# Altium PCB D5035_05.PcbDoc
Units mil, origin at the board's own origin, x right, y up, seen from the top; angles counter-clockwise.
Board outline 2716.54 x 1535.43 mil, 2 copper layers (Top Layer, Bottom Layer), stack 61.811 mil thick; 69 components, 60 nets, 246 pads, 37 vias.
Unrouted connection lines stored in the file: 1.
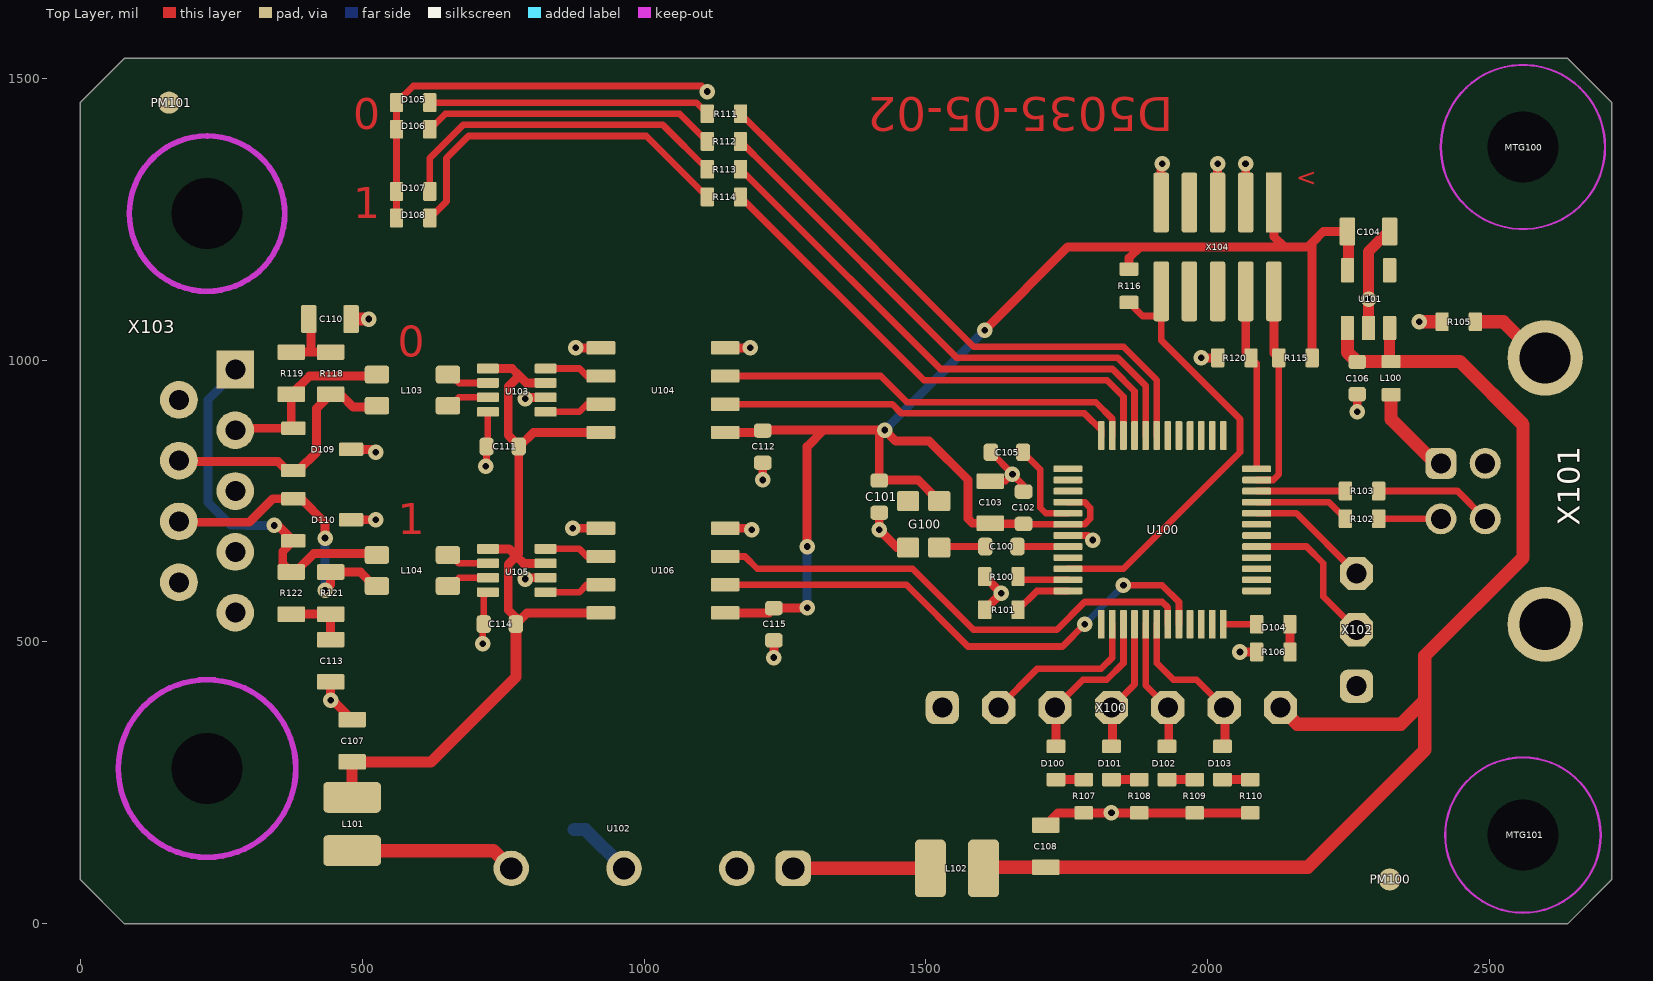
[diagram p0: Top Layer view]
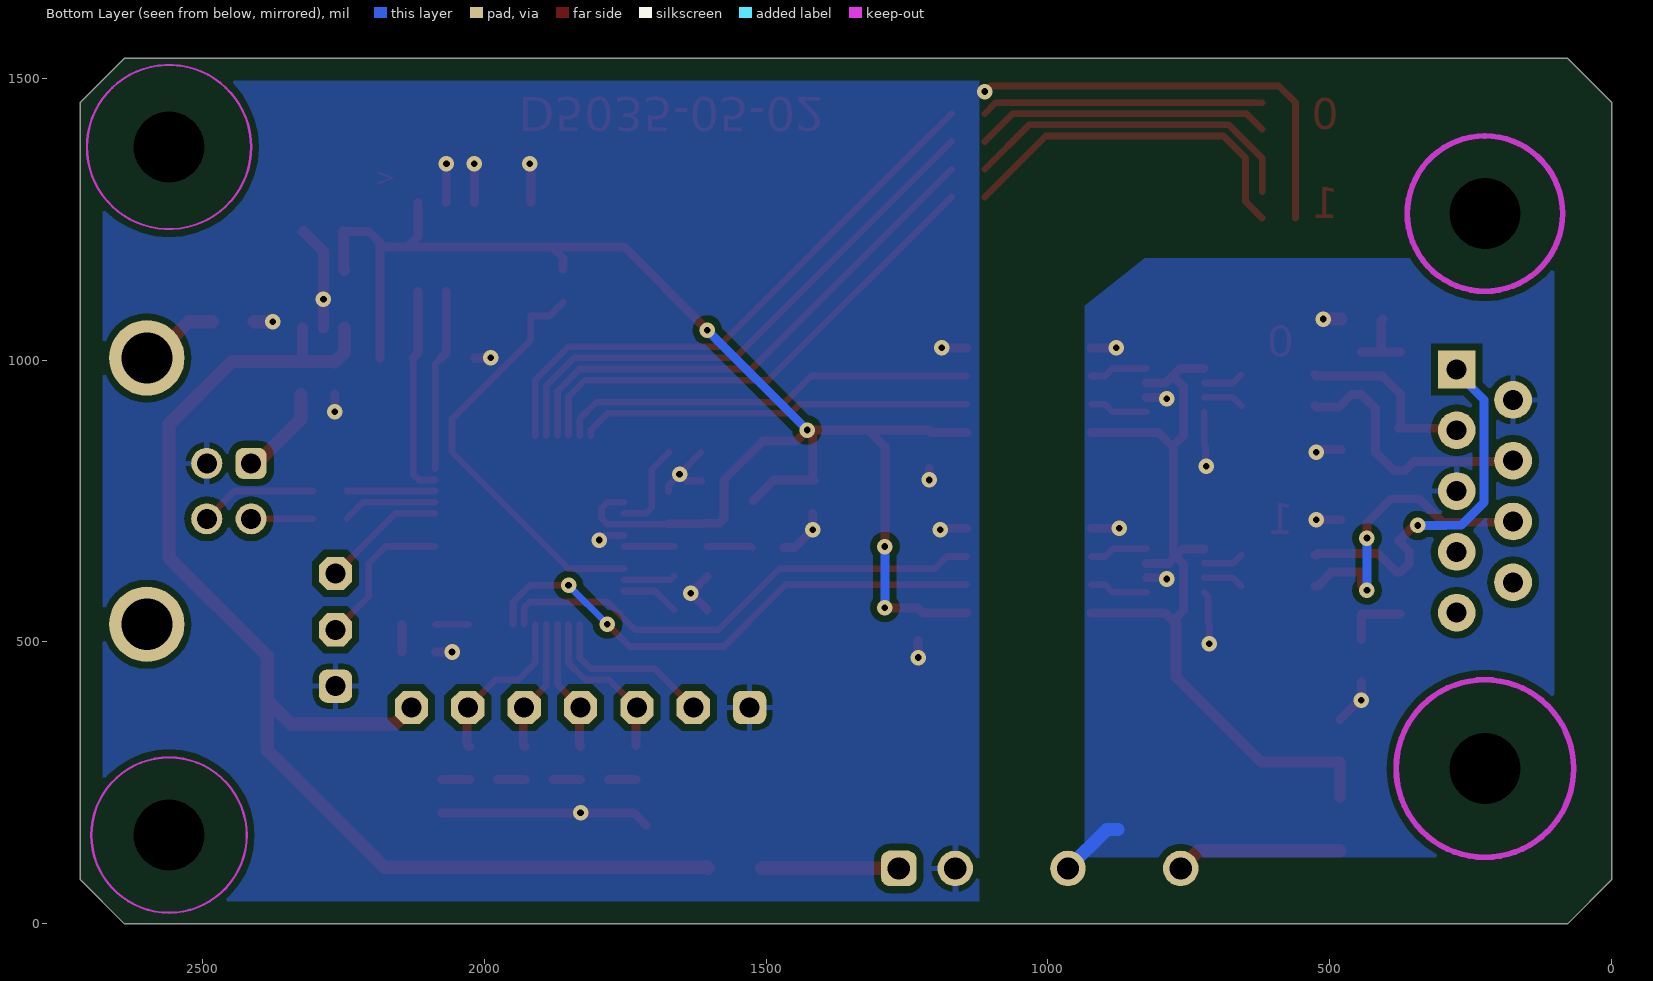
[diagram p1: Bottom Layer view, seen from below]
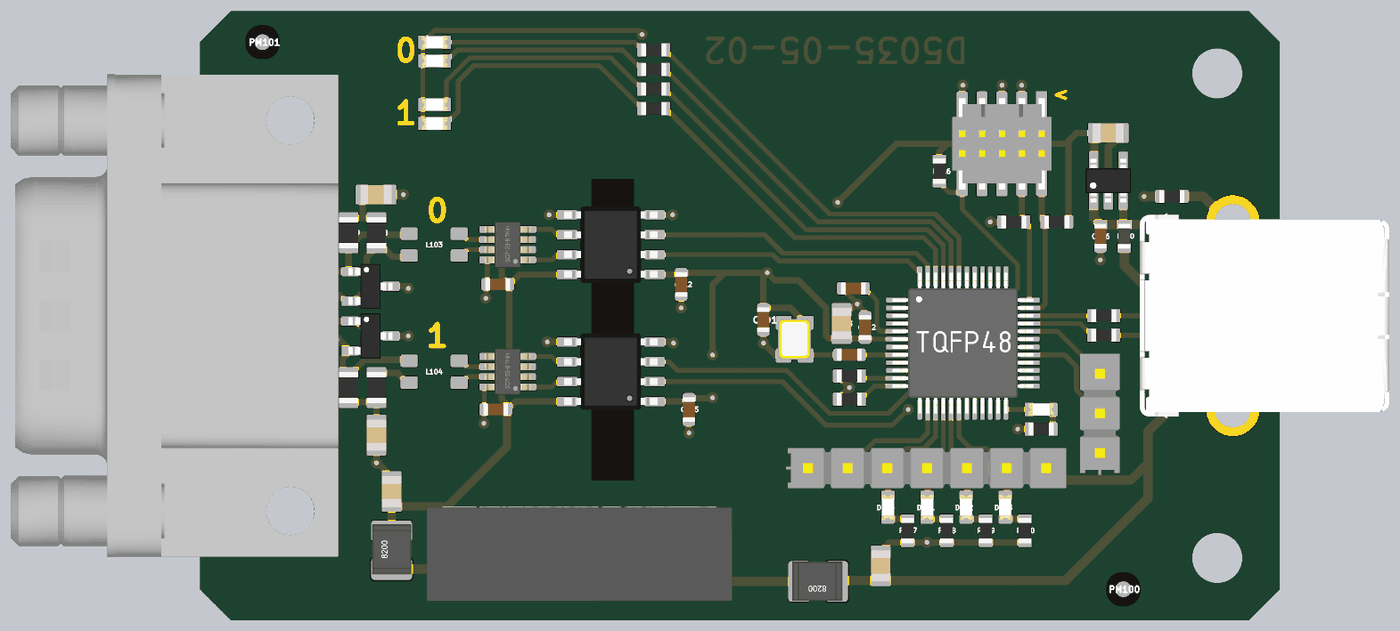
[diagram p2: 3D render of the assembled board from above, using the file's embedded part models]

## Layer stack, top to bottom
Top Solder: solder mask 0.3937, Solder Resist, Dk 3.5
Top Layer: signal copper 1.378
Dielectric 1: dielectric 59.0551, FR-4, Dk 4.8
Bottom Layer: signal copper 1.378
Bottom Solder: solder mask 0.3937, Solder Resist, Dk 3.5

## Board outline
78.74,0 0,78.74 0,1456.69 78.74,1535.43 2637.8,1535.43 2716.54,1456.69 2716.54,78.74 2637.8,0

## Design rules (kind name [scope] priority, off if disabled: settings)
BoardOutlineClearance [All] p1: gap=39.37 ignorepadtopadclearanceinfootprint=FALSE
Clearance [All] p1: gap=6 ignorepadtopadclearanceinfootprint=FALSE except(0: Arc-Hole Track-Hole SMDPad-Hole THPad-Hole Via-Hole Fill-Hole Poly-Hole Region-Hole Text-Hole; 12: Arc-Poly Track-Poly SMDPad-Poly THPad-Poly Via-Poly Fill-Poly Poly-Poly) // 1
DiffPairsRouting [All] p1: maxlimit=10 minlimit=7.87 mostfreqgap=10 toplayer_minwidth=9.84 toplayer_maxwidth=15 toplayer_prefwidth=11.81 bottomlayer_minwidth=9.84 bottomlayer_maxwidth=15 bottomlayer_prefwidth=11.81 maxuncoupledlength=500
HoleSize [All] p1: absolutevalues=TRUE maxlimit=200 minlimit=11.81 maxpercent=80.000 minpercent=20.000
MinimumSolderMaskSliver [All] p1: minsoldermaskwidth=2
PasteMaskExpansion [All] p1 off: expansion=0
PolygonConnect PolygonConnect_2 [IsVia] p1: connectstyle=Direct reliefconductorwidth=10 reliefentries=4 polygonreliefangle="90 Angle" airgapwidth=10
PolygonConnect PolygonConnect_1 [IsPad] p2: thpad.connectstyle=Relief thpad.reliefconductorwidth=10 thpad.reliefentries=4 thpad.polygonreliefangle="90 Angle" thpad.airgapwidth=10 smdpad.connectstyle=Direct smdpad.reliefconductorwidth=10 smdpad.reliefentries=4 smdpad.polygonreliefangle="90 Angle" smdpad.airgapwidth=10 via.connectstyle=Direct via.reliefconductorwidth=10 via.reliefentries=4 via.polygonreliefangle="90 Angle" via.airgapwidth=10
PolygonConnect [All] p3: connectstyle=Relief reliefconductorwidth=16 reliefentries=4 polygonreliefangle="90 Angle" airgapwidth=10
RoutingVias [All] p1: holewidth=11.81 width=23.62 viastyle="Through Hole" minholewidth=11.81 minwidth=23.62 maxholewidth=39.37 maxwidth=78.74
SilkToBoardRegionClearance [All] p1 off:
SilkToSilkClearance [All] p1 off: silktosilkclearance=10
SilkToSolderMaskClearance [IsPad] p1 off: minsilkscreentomaskgap=10 clearancetoexposedcopper=TRUE
SolderMaskExpansion SolderMaskExpansion_VIA [IsVia] p1: expansion=2 istentingtop=FALSE soldermaskfromhole=TRUE
SolderMaskExpansion [All] p2: expansion=2 istentingtop=FALSE
Width [All] p1: maxlimit=100 minlimit=9.84 preferedwidth=11.81 minimp=50.000000 maximp=50.000000 favimp=50.000000
23 further rules are at their usual default settings.

## Components (designator, comment, footprint, x,y, rotation, side; value= is the part's Value field where it differs from the comment)
C100 "10n" CAPC1608X09L 1633.86,669.29 r180 top
C101 "100n" CAPC1608X09L 1417.32,757.87 r90 top
C102 "100n" CAPC1608X09L 1673.23,738.19 r270 top
C103 "4µ7" CAPC2012X14L 1614.17,748.03 r270 top
C104 "4µ7" CAPC2012X14L 2285.12,1228.11 r180 top
C105 "100n" CAPC1608X09L 1643.7,836.61 r0 top
C106 "100n" CAPC1608X09L 2265.12,968.11 r90 top
C107 "4µ7" CAPC2012X14L 482.28,324.8 r270 top
C108 "4µ7" CAPC2012X14L 1712.6,137.8 r270 top
C110 "4n7" CAPC2012X14L 442.91,1072.83 r180 top
C111 "100n" CAPC1608X09L 749.19,846.73 r0 top
C112 "100n" CAPC1608X09L 1210.63,846.46 r90 top
C113 "4n7" CAPC2012X14L 444.19,466.73 r90 top
C114 "100n" CAPC1608X09L 744.19,531.73 r0 top
C115 "100n" CAPC1608X09L 1230.32,531.5 r90 top
D100 "red" DIOC1608X06N_LED 1730.71,285.43 r90 top
D101 "yellow" DIOC1608X06N_LED 1829.13,285.43 r90 top
D102 "green" DIOC1608X06N_LED 1927.56,285.43 r90 top
D103 "blue" DIOC1608X06N_LED 2025.98,285.43 r90 top
D104 "green" DIOC1608X06N_LED 2116.14,531.5 r180 top
D105 "green" DIOC1608X06N_LED 590.55,1456.69 r0 top
D106 "red" DIOC1608X06N_LED 590.55,1409.45 r0 top
D107 "green" DIOC1608X06N_LED 590.55,1299.21 r0 top
D108 "red" DIOC1608X06N_LED 590.55,1251.97 r0 top
D109 "PESD1CAN" SOT95P280X110-3N 429.19,841.73 r0 top
D110 "PESD1CAN" SOT95P280X110-3N 429.19,716.73 r0 top
G100 "16MHz" TG2520 1496.06,708.66 r270 top
L100 "WE_742792641" INDC1608X06L 2325.12,968.11 r90 top
L101 "82103C" Murata_8200C 482.28,177.17 r90 top
L102 "82103C" Murata_8200C 1555.12,98.43 r180 top
L103 "DLW32SH101XF2L‎" ACT1210 589.19,946.73 r0 top
L104 "DLW32SH101XF2L‎" ACT1210 589.19,626.73 r0 top
MTG100 "MH_M3" HOLE_3_2MM 2559.06,1377.95 r0 top
MTG101 "MH_M3" HOLE_3_2MM 2559.06,157.48 r0 top
PM100 "Fidicual" PM100 2322.83,78.74 r0 top
PM101 "Fidicual" PM100 157.48,1456.69 r0 top
R100 "10k" RESC1608X06L 1633.86,616.14 r180 top
R101 "10k" RESC1608X06L 1633.86,557.09 r180 top
R102 "22R" RESC1608X06L 2273.62,718.5 r180 top
R103 "22R" RESC1608X06L 2273.62,767.72 r180 top
R105 "10k" RESC1608X06L 2445.12,1068.11 r0 top
R106 "10k" RESC1608X06L 2116.14,482.28 r0 top
R107 "2k" RESC1608X06L 1779.92,226.38 r90 top
R108 "2k" RESC1608X06L 1878.35,226.38 r90 top
R109 "2k" RESC1608X06L 1976.77,226.38 r90 top
R110 "2k" RESC1608X06L 2075.2,226.38 r90 top
R111 "2k" RESC1608X06L 1141.73,1437.01 r0 top
R112 "1k" RESC1608X06L 1141.73,1387.8 r0 top
R113 "2k" RESC1608X06L 1141.73,1338.58 r0 top
R114 "1k" RESC1608X06L 1141.73,1289.37 r0 top
R115 "10k" RESC1608X06L 2155.51,1003.94 r0 top
R116 "10k" RESC1608X06L 1860.24,1131.89 r90 top
R118 "4k7" RESC2012X06L 444.19,976.73 r270 top
R119 "4k7" RESC2012X06L 374.19,976.73 r270 top
R120 "10k" RESC1608X06L 2047.24,1003.94 r0 top
R121 "4k7" RESC2012X06L 444.19,586.73 r90 top
R122 "4k7" RESC2012X06L 374.19,586.73 r90 top
U100 "STM32G0B1CET6" TQFP50P900X900X120-48N 1919.29,698.82 r0 top
U101 "MIC5317-3.3YD5" SOT95P280X110-5N 2285.12,1108.11 r90 top
U102 "MER1S0505SC" MER1SxxxxC 964.57,98.43 r180 top
U103 "TCAN1044V" SOT65P280X100-8N 774.19,946.73 r180 top
U104 "SI8621EC-B-IS" SOIC127P600X175-8N 1033.72,946.73 r180 top
U105 "TCAN1044V" SOT65P280X100-8N 774.19,626.73 r180 top
U106 "SI8621EC-B-IS" SOIC127P600X175-8N 1033.72,626.73 r180 top
X100 "1x7 2,54mm" PINH_1x07_2_54mm 1829.13,383.86 r0 top
X101 "61729-0010BLF" 61729-XXXXXLF 2598.43,767.72 r90 top
X102 "1x3 2,54mm" PINH_1x03_2_54mm 2263.78,521.65 r90 top
X103 "9651226803" 09651226803 275,767.72 r90 top
X104 "SWD" FTSH-105-01-L-DV-K 2017.72,1200.79 r180 top

## Footprints (in the part's own frame and the unit in brackets; to place one, negate y for a bottom-side part, rotate by r counter-clockwise, add the part's x,y. Pads: shape width x height; smd on the part's side, far side on the other; paste and mask are expansions set on the pad)
61729-XXXXXLF [mm] "USB Buchse"
  rrect50% 1.4x1.4 hole 0.9: 1(1.25,4.7)
  round 1.4 hole 0.9: 2(-1.25,4.7) 3(-1.25,2.7) 4(1.25,2.7)
  round 3.4 hole 2.3: Shell(-6,0) Shell(6,0)
  body extent -6.56,-10 6.56,5.94, height 1.15
09651226803 [mm]
  rect 1.7x1.7 hole 0.9: 1(5.48,0)
  round 1.7 hole 0.9: 2(2.74,0) 3(0,0) 4(-2.74,0) 5(-5.48,0) 6(4.11,2.54) 7(1.37,2.54) 8(-1.37,2.54) 9(-4.11,2.54)
  round 0 hole 3.2 unplated: SH(-12.5,1.27) SH(12.5,1.27)
  body extent -15.46,-1.85 15.45,19.05, height 13.55
ACT1210 [mm]
  rrect30% 1.1x0.8 smd: 1(-1.6,0.7) 2(-1.6,-0.7) 3(1.6,-0.7) 4(1.6,0.7)
  body extent -1.6,-1.3 1.6,1.3, height 2.5
CAPC1608X09L [mm] "Chip Capacitor, 2-Leads, Body 1,6x0,8mm, IPC High Density"
  rrect50% 0.65x0.8 smd: 1(-0.725,0) 2(0.725,0)
  body extent -0.8,-0.4 0.8,0.4, height 0.6
CAPC2012X14L [mm] "Chip Capacitor, 2-Leads, Body 2,0x1,3mm, IPC High Density"
  rrect20% 0.7x1.25 smd: 1(-0.95,0) 2(0.95,0)
  body extent -1,-0.62 1,0.62, height 0.6
DIOC1608X06N_LED [mm]
  rrect20% 0.6x0.85 smd: 1(-0.75,0) 2(0.75,0)
  body extent -0.8,-0.4 0.8,0.4, height 0.7
FTSH-105-01-L-DV-K [mm] "SAMTEC FTSH 5pin doppelreihig, 1,27mm x 1,27mm"
  rect 0.7x2.7 smd: 1(-2.53,-2)
  rrect30% 0.7x2.7 smd: 2(-2.53,2) 3(-1.26,-2) 4(-1.26,2) 5(0.01,-2) 6(0.01,2) 7(1.28,-2) 8(1.28,2) 9(2.55,-2) 10(2.55,2)
  body extent -3.17,-2.92 3.18,2.92, height 6.11
HOLE_3_2MM [mm] "Mouting-Hole for screws M3 with keepout for washer"
  round 0 hole 3.2 unplated: 1(0,0)
  Keep-Out Layer circle w0.1: c0,0 r3.7
INDC1608X06L [mm] "Ferrite Bead 2-Leads, Body 1,6x0,8mm, IPC High Density"
  rrect20% 0.6x0.85 smd: 1(-0.75,0) 2(0.75,0)
  body extent -0.8,-0.4 0.8,0.4, height 0.8
MER1SxxxxC [mm]
  rrect50% 1.6x1.6 hole 1: 1(-7.62,0)
  round 1.6 hole 1: 2(-5.08,0) 4(0,0) 6(5.08,0)
  body extent -9.5,-4.77 10,1.25, height 10.1
Murata_8200C [mm]
  rrect30% 1.4x2.6 smd paste+0 mask+0.102: 1(-1.2,0)
  rrect30% 1.4x2.6 smd: 2(1.2,0)
  body extent -1.55,-1.26 1.65,1.24, height 2
PINH_1x03_2_54mm [mm] "Pin-Header 3 polig"
  rrect50% 1.5x1.5 hole 0.9: 1(-2.54,0)
  oct 1.5x1.5 hole 0.9: 2(0,0) 3(2.54,0)
  body extent -3.94,-1.27 3.81,1.27, height 8.38
PINH_1x07_2_54mm [mm] "Pin-Header 7 polig"
  rrect50% 1.5x1.5 hole 0.9: 1(-7.62,0)
  oct 1.5x1.5 hole 0.9: 2(-5.08,0) 3(-2.54,0) 4(0,0) 5(2.54,0) 6(5.08,0) 7(7.62,0)
  body extent -9.02,-1.27 8.89,1.27, height 8.38
PM100 [mm] "Passermarke für Bestueckungsautomaten rund"
  round 1 smd: 1(0,0)
  rect 0.2x0.2 smd mask+1: 1(0,0)
  Top Layer pour cut-out: -1.2,1.2 1.2,1.2 1.2,-1.2 -1.2,-1.2
RESC1608X06L [mm] "Chip Resistor, 2-Leads, Body 1,6x0,8mm, IPC High Density"
  rrect20% 0.6x0.85 smd: 1(-0.75,0) 2(0.75,0)
  body extent -0.8,-0.4 0.8,0.4, height 0.4
RESC2012X06L [mm] "Chip Resistor, 2-Leads, Body 2,0x1,3mm, IPC High Density"
  rrect20% 0.7x1.25 smd: 1(-0.95,0) 2(0.95,0)
  body extent -1,-0.63 1,0.63, height 0.5
SOIC127P600X175-8N [mm] "SOIC, 8-Leads, Body 5,0x4,0mm (max), Pitch 1,27mm, IPC Medium Density"
  rrect20% 1.3x0.6 smd: 1(-2.8,1.905) 2(-2.8,0.635) 3(-2.8,-0.635) 4(-2.8,-1.905) 5(2.8,-1.905) 6(2.8,-0.635) 7(2.8,0.635) 8(2.8,1.905)
  body extent -3,-2.45 3,2.45, height 1.7
SOT65P280X100-8N [mm] "SOT23, 8-Leads, Body 3,0x3,0mm (max), Pitch 0,65mm, IPC Medium Density"
  rrect30% 1x0.44 smd: 1(-1.3,0.975) 2(-1.3,0.325) 3(-1.3,-0.325) 4(-1.3,-0.975) 5(1.3,-0.975) 6(1.3,-0.325) 7(1.3,0.325) 8(1.3,0.975)
  body extent -1.47,-1.47 1.47,1.47, height 1.1
SOT95P280X110-3N [mm] "SOT23, 3-Leads, Body 3,0x3,0mm (max), Pitch 0,95mm, IPC Medium Density"
  rrect20% 1.1x0.6 smd: 1(-1.3,0.95) 2(-1.3,-0.95) 3(1.3,0)
  body extent -1.4,-1.45 1.4,1.45, height 1.3
SOT95P280X110-5N [mm] "SOT23, 5-Leads, Body 3,0x3,0mm (max), Pitch 0,95mm, IPC Medium Density"
  rrect20% 1.1x0.6 smd: 1(-1.3,0.95) 2(-1.3,0) 3(-1.3,-0.95) 4(1.3,-0.95) 5(1.3,0.95)
  body extent -1.4,-1.45 1.4,1.45, height 1.45
TG2520 [mm]
  rrect20% 0.9x1 smd: 1(-1.05,-0.7) 2(1.05,-0.7) 3(1.05,0.7) 4(-1.05,0.7)
  body extent -1.3,-1.06 1.3,1.04, height 0.8
TQFP50P900X900X120-48N [mm] "TSQFP, 48-Leads, Body 9,2x9,2mm (max), Pitch 0,50mm, IPC Medium Density"
  rrect30% 1.3x0.3 smd: 1(-4.25,2.75) 2(-4.25,2.25) 3(-4.25,1.75) 4(-4.25,1.25) 5(-4.25,0.75) 6(-4.25,0.25) 7(-4.25,-0.25) 8(-4.25,-0.75) 9(-4.25,-1.25) 10(-4.25,-1.75) 11(-4.25,-2.25) 12(-4.25,-2.75) 25(4.25,-2.75) 26(4.25,-2.25) 27(4.25,-1.75) 28(4.25,-1.25) 29(4.25,-0.75) 30(4.25,-0.25) 31(4.25,0.25) 32(4.25,0.75) 33(4.25,1.25) 34(4.25,1.75) 35(4.25,2.25) 36(4.25,2.75)
  rrect30% 0.3x1.3 smd: 13(-2.75,-4.25) 14(-2.25,-4.25) 15(-1.75,-4.25) 16(-1.25,-4.25) 17(-0.75,-4.25) 18(-0.25,-4.25) 19(0.25,-4.25) 20(0.75,-4.25) 21(1.25,-4.25) 22(1.75,-4.25) 23(2.25,-4.25) 24(2.75,-4.25) 37(2.75,4.25) 38(2.25,4.25) 39(1.75,4.25) 40(1.25,4.25) 41(0.75,4.25) 42(0.25,4.25) 43(-0.25,4.25) 44(-0.75,4.25) 45(-1.25,4.25) 46(-1.75,4.25) 47(-2.25,4.25) 48(-2.75,4.25)
  body extent -4.51,-4.51 4.51,4.51, height 1.1

## Part data
C100 C101 C102 C105 C106 C111 C112 C114 C115: library part CAPC_0603, "0603 Chip Capacitor", Bauteilart=Capacitor, Editor=rriedel, Kategorie=generic, PackageDescription=0603, Part Number=CAPC_0603, Status=tested, Unterart=unpolarized
C103 C104 C107 C108 C110 C113: library part CAPC_0805, "0805 Chip Capacitor", Bauteilart=Capacitor, Editor=rriedel, Kategorie=generic, PackageDescription=0805, Part Number=CAPC_0805, Status=tested, Unterart=unpolarized
D100 D101 D102 D103 D104 D105 D106 D107 D108: library part LED_0603, "LED, 0603", Bauteilart=Diode, Date=29.06.2020, Editor=rriedel, Kategorie=generic, PackageDescription=0603, Part Number=LED_0603, Status=new, Unterart=generic
D109 D110: "CAN bus ESD protection diode", Manufacturer=Nexperia, Bauteilart=Diode, Date=27.06.2020, Distributor_1=Digi-Key, Distributor_1_Part_Number=1727-3817-1-ND, Editor=rriedel, Kategorie=Part, PackageDescription=SOT23, Part Number=PESD1CAN, Part_Number_1=PESD1CAN, Status=new, Unterart=Transil
G100: library part TG2520SMN16.0000M-MCGNNM, "16MHz Oscillator, +/- 0.5ppm", Manufacturer=Epson, Bauteilart=Oscillator, Date=20.11.2021, Distributor_1=Mouser, Distributor_1_Part_Number=732-TG252S16MCGNNM3, Editor=rriedel, Kategorie=Part, PackageDescription="2,5mm x 2,0mm", Part Number=TG2520SMN16.0000M-MCGNNM, Part_Number_1=TG2520SMN16.0000M-MCGNNM, Status=tested, Unterart=TG2520
L100: "SMT EMI suppression ferrite bead WE-CBF", Manufacturer=Wuerth, Bauteilart=Inductor, Date=22.06.2020, Distributor_1=Digi-Key, Distributor_1_Part_Number=732-1592-1-ND, Editor=rriedel, Kategorie=Part, PackageDescription=0603, Part Number=WE_742792641, Part_Number_1=742792641, Status=new, Unterart="Ferrite Bead"
L101 L102: "10µH, 0,5A, 400mR", Manufacturer=Murata, Bauteilart=Inductor, Date=27.06.2020, Distributor_1=Digi-Key, Distributor_1_Part_Number=811-2473-1-ND, Editor=rriedel, Kategorie=Part, PackageDescription="3,2x2,5 mm", Part Number=82103C, Part_Number_1=82103C, Status=new, Unterart=Power
L103 L104: library part ACT1210-101-2P-TL00, "Common Mode Filter,  -50°C ... +150°C, AEC-Q200", Manufacturer=TDK, Bauteilart=Inductor, Date=17.10.2017, Distributor_1=Farnell, Distributor_1_Part_Number=2442838, Distributor_2=Digi-Key, Distributor_2_Part_Number=445-172386-1-ND, Editor=rriedel, Kategorie=Part, PackageDescription=3225, Part Number=ACT1210-101-2P-TL00, Part_Number_1=ACT1210-101-2P-TL00, Status=tested, Unterart=Filter
MTG100 MTG101: "Mounting-Hole for M3 screws", Bauteilart=Mechanic, Date=13.05.2018, Editor=rriedel, Kategorie=No_Bom, Part Number=MH_M3, Status=tested, Unterart=Holes
PM100 PM101: library part PM100, "Passermarke für Bestueckungsautomaten 1mm rund, 2,2mm quadratischer Ausschnitt, 2,1 mm Ausstellung Loetstoplack", Bauteilart=Manufacturing, Date=22.02.2017, Editor=rriedel, Kategorie=No_Bom, PackageDescription="Passermarke 1.0mm rund", Part Number=PM100, Status=tested, Unterart=Passermarke
R100 R101 R102 R103 R105 R106 R107 R108 R109 R110 R111 R112 R113 R114 R115 R116 R120: library part RESC_0603, "0603 Chip Resistor", Bauteilart=Resistor, Editor=rriedel, Kategorie=generic, PackageDescription=0603, Part Number=RESC_0603, Status=tested, Unterart=generic
R118 R119 R121 R122: library part RESC_0805, "0805 Chip Resistor", Bauteilart=Resistor, Editor=rriedel, Kategorie=generic, PackageDescription=0805, Part Number=RESC_0805, Status=tested, Unterart=generic
U100: "32-bit Microcontroller, 64MHz Cortex M0+, 512k FLASH,  USB", Manufacturer=STM, Bauteilart=MikroController, Date=27.02.2023, Distributor_1=Mouser, Distributor_1_Part_Number=511-STM32G0B1CET6, Editor=rriedel, Kategorie=Part, PackageDescription=TQFP48-0.5mm, Part Number=STM32G0B1CET6, Part_Number_1=STM32G0B1CET6, Status=new, Unterart="32bit STM"
U101: library part MIC5233-3.3, "100 mA LDO,  Vout= 3,3V, -40°C..125°C", Manufacturer=Microchip, Bauteilart=IC, ComponenLinkDescription=Datasheet, ComponenLinkURL="D:\Altium_lib_HW-Labor_GF\Altium_lib\Datenblaetter\pcb\Integrierte Schaltkreise\Microchip\mic5233.pdf", Date=15.09.2016, Distributor_1=Farnell, Distributor_1_Part_Number=2510274, Editor=rriedel, Kategorie=Part, PackageDescription=SOT23-5, Part Number=MIC5233-3.3, Part_Number_1=MIC5233-3.3YM5, Status=tested, Unterart=Linear-Regulators
U102: "Isolated 1W Single Output DC-DC Converters 5V/5V 200mA", Manufacturer=Murata, Bauteilart=Module, Date=27.06.2020, Distributor_1=Digi-Key, Distributor_1_Part_Number=811-2124-5-ND‎, Editor=rriedel, Kategorie=Part, PackageDescription="4Pin SIP", Part Number=MER1S0505SC, Part_Number_1=MER1S0505SC, Status=new, Unterart=DCDC
U103 U105: "CAN-FD transceiver 8MBit, VIO Pin", Manufacturer=TI, Bauteilart=IC, Date=28.06.2020, Distributor_1=Digi-Key, Distributor_1_Part_Number=296-TCAN1044VDDFRCT-ND, Editor=rriedel, Kategorie=Part, PackageDescription=SOT23-8, Part Number=TCAN1044V, Part_Number_1=TCAN1044VDDFR, Status=new, Unterart=CAN
U104 U106: "Dual channel digital isolator, 150Mbit, 3,75kV", Manufacturer="Silicon Labs", Bauteilart=IC, Date=29.06.2020, Distributor_1=Digi-Key, Distributor_1_Part_Number=336-4776-1-ND, Editor=rriedel, Kategorie=Part, PackageDescription=SO8, Part Number=SI8621EC-B-IS, Part_Number_1=SI8621EC-B-IS, Status=new, Unterart=Isolator
X100: library part PINH_1x7_2_54, "Pin-Header 2,54 mm 7pins", Bauteilart=Connector, Date=07.02.2017, Editor=rriedel, Kategorie=generic, Part Number=PINH_1x7_2_54, Status=tested, Unterart=Pin-Header
X101: "USB-B socket, THT", Manufacturer=Amphenol, Bauteilart=Connector, Date=28.06.2020, Distributor_1=Digi-Key, Distributor_1_Part_Number=609-1039-ND, Editor=rriedel, Kategorie=Part, PackageDescription=USB-B, Part Number=61729-0010BLF, Part_Number_1=61729-0010BLF, Status=new, Unterart=USB
X102: library part PINH_1x3_2_54, "Pin-Header 2,54 mm 3pins", Bauteilart=Connector, Date=02.02.2017, Editor=rriedel, Kategorie=generic, Part Number=PINH_1x3_2_54, Status=tested, Unterart=Pin-Header
X103: "D-Sub, 9 pin, male, right angle", Manufacturer=Harting, Bauteilart=Connector, Date=29.06.2020, Distributor_1=Farnell, Distributor_1_Part_Number=2752007, Editor=rriedel, Kategorie=Part, PackageDescription=D-Sub, Part Number=9651226803, Part_Number_1=9651226803, Status=new, Unterart=D-Sub
X104: "ARM Debug-Header 2x5 1,27 mm", Bauteilart=Connector, Date=12.08.2018, Editor=rriedel, Kategorie=Part, PackageDescription="2x5 1,27mm", Part Number=SWD, Status=tested, Unterart=Debug

## Via types
v1: diameter 27.56, hole 11.81, Top Layer to Bottom Layer, tented both sides, 37 vias

## Nets (pads, with @x,y where several pads share a name; then routed paths per layer and width w, separated by ;. In a path a pad name is that pad's centre, name@x,y a point inside that pad or via, vN(x,y) a via of type N, cw(c..) or ccw(c..) an arc to the next point about the centre after c; other vN are vias at no path point)
3V3: C101.2 C102.2 C103.2 C104.2 C112.2 C115.2 G100.4 R115.2 R116.2 U100.4 U100.6 U101.5 U104.1 U106.1 X104.1 | length 2897.2
  Top Layer w11.81: C102.2 1674.21,708.66 U100.6 1781.5,708.66 1791.34,718.5 1791.34,738.19 1781.5,748.03 U100.4
  Top Layer w15.75: U106.1 1222.01,551.73 C115.2 1288.39,560.04 v1(1289.37,561.02) ; U104.1 1207.36,871.73 C112.2 C112.2@1211.61,875.98 ; C112.2@1210.63,875.98 C112.2@1211.61,875.98 ; v1(1289.37,669.29) 1289.37,846.46 1318.9,875.98 ; C101.2@1415.03,787.4 C101.2@1417.32,787.4 ; C101.2 C101.2@1417.32,787.4 ; G100.4 1486.22,787.4 C101.2@1417.32,787.4 ; v1(1604.33,1053.15) 1751.97,1200.79 1879.92,1200.79 ; C102.2 1615.16,709.65 C103.2 1582.68,710.63 1574.8,718.5 1574.8,787.4 1505.91,856.3 1446.85,856.3 v1(1427.17,875.98) ; R116.2 1860.24,1181.1 1879.92,1200.79 ; X104.1 2117.32,1219.3 2135.83,1200.79 ; R115.2 2185.04,1208.03 ; C104.2@2249.69,1228.11 C104.2 2205.12,1228.11 2185.04,1208.03 ; C112.2@1211.61,875.98 1318.9,875.98 ; 1318.9,875.98 v1(1427.17,875.98) ; C101.2@1417.32,787.4 1417.32,866.14 v1(1427.17,875.98) ; 1879.92,1200.79 2135.83,1200.79 ; 2135.83,1200.79 2177.8,1200.79 2185.04,1208.03
  Top Layer w19.68: U101.5 2249.69,1161.26 C104.2@2249.69,1228.11
  Bottom Layer w15.75: v1(1289.37,561.02) v1(1289.37,669.29) ; v1(1427.17,875.98) v1(1604.33,1053.15)
5V: C106.2 C108.2 L100.2 L102.1 U101.1 U101.3 X100.7 | length 2272.3
  Top Layer w19.68: U101.3 2322.52,1000.24 L100.2
  Top Layer w23.62: L102.1 1604.33,100.39 C108.2 2177.17,100.39 2385.12,308.35 2385.12,393.7 ; X100.7 2158.66,354.33 2342.52,354.33 2381.89,393.7 2385.12,393.7 ; U101.1 2247.72,1014.06 C106.2 2266.1,997.64 L100.2 2447.24,997.64 2559.06,885.83 2559.06,649.61 2385.12,475.67 2385.12,393.7
5V2: C107.2 C111.2 C114.2 L101.2 U103.3 U103.5 U104.8 U105.3 U105.5 U106.8 | length 1519.3
  Top Layer w15.75: U105.5 760.81,665.12 773.6,652.32 ; U103.5 765.81,985.12 778.6,972.32 ; C111.2 777.74,656.46 773.6,652.32 ; U105.3 786.4,639.53 773.6,652.32 ; U103.3 791.4,959.53 778.6,972.32 ; U106.8 792.74,551.73 C114.2 772.74,543.19 759.19,556.73 759.19,637.91 773.6,652.32 ; U104.8 804.19,871.73 779.19,846.73 759.19,866.73 759.19,952.91 778.6,972.32
  Top Layer w19.68: L101.2 C107.2 622.05,287.4 772.74,438.09 C114.2
CAN_RX_1: U100.47 U104.3 | length 747.8
  Top Layer w11.81: U104.3 1420,971.73 1466.54,925.2 1801.18,925.2 1830.71,895.67 U100.47
CAN_RX_2: U100.19 U106.3 | length 893
  Top Layer w11.81: U106.3 1178.98,651.73 1200.79,629.92 1476.38,629.92 1584.55,521.75 1732.38,521.75 1781.5,570.87 1919.29,570.87 1929.13,561.02 U100.19
CAN_TX_1: U100.48 U104.2 | length 695.9
  Top Layer w11.81: U104.2 1440.47,921.73 1456.69,905.51 1781.5,905.51 1811.02,875.98 U100.48
CAN_TX_2: U100.20 U106.2 | length 946.7
  Top Layer w11.81: U106.2 1465.2,601.73 1574.8,492.13 1742.13,492.13 v1(1781.5,531.5) ; v1(1850.39,600.39) 1919.29,600.39 1948.82,570.87 U100.20
  Bottom Layer w11.81: v1(1781.5,531.5) v1(1850.39,600.39)
GND: C101.1 C102.1 C103.1 C104.1 C105.1 C106.1 C108.1 C112.1 C115.1 D105.1 D106.1 D107.1 D108.1 G100.2 R100.2 R101.2 R105.1 R106.1 R107.1 R108.1 R109.1 R110.1 R120.1 U100.7 U101.2 U102.2 U104.4 U106.4 X100.1 X101.4 X102.1 X104.3 X104.5 X104.9 | length 2168
  Top Layer w11.81: D108.1 D107.1 D106.1 D105.1 590.55,1486.22 1102.36,1486.22 v1(1112.2,1476.38) ; C103.1 1641.73,785.43 v1(1653.54,797.24) ; C105.1 1653.54,798.23 v1(1653.54,797.24) ; C102.1 1673.23,777.56 v1(1653.54,797.24) ; U100.7 1787.89,688.98 v1(1796.02,680.85)
  Top Layer w15.75: U106.4 1188.03,701.73 v1(1190.94,698.82) ; U104.4 v1(1188.72,1021.73) ; v1(1210.63,787.4) C112.1@1210.63,808.07 ; v1(1230.32,472.44) C115.1 ; C101.1 v1(1417.32,698.82) 1448.82,667.32 G100.2 ; R101.2 v1(1633.86,586.61) R100.2 ; C108.1 1734.25,196.85 R107.1 ; R107.1@1779.99,196.78 v1@1829.06,196.78 ; v1@1829.2,196.78 R108.1@1878.28,196.78 ; R108.1@1878.42,196.78 R109.1@1976.7,196.78 ; X104.9 1917.32,1346.45 v1(1919.29,1348.43) ; R109.1@1976.84,196.78 R110.1@2075.13,196.78 ; v1(1988.19,1003.94) R120.1 ; X104.5 2017.32,1348.03 v1(2017.72,1348.43) ; v1(2057.09,482.28) R106.1 ; v1(2066.93,1348.43) 2067.32,1348.04 X104.3 ; v1(2265.12,908.11) C106.1
  Top Layer w19.68: U101.2 v1(2285.12,1108.11) 2285.12,1192.68 C104.1@2320.55,1228.11
  Top Layer w23.62: v1(2375.12,1068.11) R105.1@2407.72,1068.11
  other v1: 1829.13,196.85
GND2: C107.1 C110.1 C111.1 C113.1 C114.1 D109.3 D110.3 U102.4 U103.2 U103.8 U104.5 U105.2 U105.8 U106.5 X103.3 X103.6 | length 685.5
  Top Layer w11.81: v1(714.19,496.73) 714.19,530.28 C114.1 715.65,580.98 U105.8 ; v1(719.19,811.73) 720.65,813.19 C111.1 723.01,849.09 U103.8
  Top Layer w15.75: C113.1 v1(444.19,396.73) 447.76,396.73 C107.1 ; D110.3 v1(524.19,716.73) ; D109.3 519.19,841.73 v1(524.19,836.73) ; v1(789.19,611.73) 791.4,613.94 U105.2 ; v1(789.19,931.73) 791.4,933.94 U103.2 ; v1(873.72,701.73) U106.5 ; v1(878.72,1021.73) U104.5
  Top Layer w23.62: C110.1 v1(511.81,1072.83)
  Bottom Layer w23.62: 875.98,167.32 895.67,167.32 U102.4
NetC100_1: C100.1 U100.8 | length 89.6
  Top Layer w11.81: C100.1 U100.8
NetC100_2: C100.2 G100.3 | length 82.5
  Top Layer w11.81: G100.3 1525.59,669.29 C100.2
NetC105_2: C105.2 U100.5 | length 164.4
  Top Layer w11.81: C105.2 1702.76,806.1 1702.76,738.19 1712.6,728.35 U100.5
NetC110_2: C110.2 R118.1 R119.1 | length 130.2
  Top Layer w15.75: R119.1 409.19,1014.13 ; C110.2 409.19,1069.15 409.19,1014.13 ; R118.1 409.19,1014.13
NetC113_2: C113.2 R121.1 R122.1 | length 115.2
  Top Layer w15.75: R122.1 R121.1 C113.2
NetD100_1: D100.1 R107.2 | length 49.1
  Top Layer w15.75: D100.1@1730.78,255.84 R107.2@1779.85,255.84
NetD100_2: D100.2 U100.15 X100.3 | length 290.8
  Top Layer w11.81: X100.3 1778.35,433.07 1820.87,433.07 1850.39,462.6 U100.15
  Top Layer w15.75: X100.3 1730.71,382.28 D100.2@1730.71,316.47
NetD101_1: D101.1 R108.2 | length 49.1
  Top Layer w15.75: D101.1@1829.2,255.84 R108.2@1878.28,255.84
NetD101_2: D101.2 U100.16 X100.4 | length 234.8
  Top Layer w11.81: X100.4 1870.08,424.8 U100.16
  Top Layer w15.75: D101.2 1830.71,316.54 1830.71,382.28 X100.4
NetD102_1: D102.1 R109.2 | length 49.1
  Top Layer w15.75: D102.1@1927.63,255.84 R109.2@1976.7,255.84
NetD102_2: D102.2 U100.17 X100.5 | length 235.8
  Top Layer w11.81: U100.17 1889.76,423.23 X100.5
  Top Layer w15.75: D102.2 1929.2,314.96 1930.71,316.47 1930.71,382.28 X100.5
NetD103_1: D103.1 R110.2 | length 49.1
  Top Layer w15.75: D103.1@2026.05,255.84 R110.2@2075.13,255.84
NetD103_2: D103.2 U100.18 X100.6 | length 293.7
  Top Layer w11.81: U100.18 1909.45,462.6 1938.98,433.07 1979.92,433.07 X100.6
  Top Layer w15.75: D103.2 2027.63,314.96 2030.71,318.04 2030.71,382.28 X100.6
NetD104_1: D104.1 R106.2 | length 49.2
  Top Layer w15.75: R106.2 D104.1
NetD104_2: D104.2 U100.24 | length 59.1
  Top Layer w11.81: U100.24 D104.2
NetD105_2: D105.2 R111.1 | length 500.3
  Top Layer w11.81: D105.2 1092.52,1456.69 R111.1
NetD106_2: D106.2 R112.1 | length 523.9
  Top Layer w11.81: D106.2 647.64,1437.01 1062.99,1437.01 R112.1
NetD107_2: D107.2 R113.1 | length 608.3
  Top Layer w11.81: D107.2 620.08,1358.27 679.13,1417.32 1033.46,1417.32 R113.1
NetD108_2: D108.2 R114.1 | length 642.3
  Top Layer w11.81: D108.2 649.61,1281.5 649.61,1358.27 688.98,1397.64 1003.94,1397.64 R114.1
NetL101_1: L101.1 U102.6 | length 295.3
  Top Layer w23.62: L101.1 733.07,129.92 U102.6
NetL102_2: L102.2 U102.1 | length 243.3
  Top Layer w23.62: U102.1 L102.2
NetL103_3: L103.3 U103.7 | length 71.9
  Top Layer w11.81: L103.3@657.18,919.17 671.95,933.94 U103.7
NetL103_4: L103.4 U103.6 | length 71.9
  Top Layer w11.81: L103.4@657.18,974.29 671.95,959.53 U103.6
NetL104_3: L104.3 U105.7 | length 71.9
  Top Layer w11.81: L104.3@657.18,599.17 671.95,613.94 U105.7
NetL104_4: L104.4 U105.6 | length 71.9
  Top Layer w11.81: L104.4@657.18,654.29 671.95,639.53 U105.6
NetR100_1: R100.1 U100.11 | length 91
  Top Layer w11.81: R100.1 1669.29,610.24 U100.11
NetR101_1: R101.1 U100.12 | length 102.4
  Top Layer w11.81: R101.1 1696.85,590.55 U100.12
NetR102_1: R102.1 X101.2 | length 110.2
  Top Layer w12: R102.1 X101.2
NetR103_1: R103.1 X101.3 | length 209.4
  Top Layer w12: R103.1 2442.91,767.72 X101.3
NetR105_2: R105.2 X101.Shell | length 132.6
  Top Layer w23.62: R105.2@2482.52,1068.11 2524.41,1068.11 X101.Shell@2588.58,1003.94
NetR111_2: R111.2 U100.43 | length 1032.3
  Top Layer w11.81: R111.2 1240.16,1368.11 1584.65,1023.62 1850.39,1023.62 1909.45,964.57 U100.43
NetR112_2: R112.2 U100.44 | length 986.5
  Top Layer w11.81: R112.2 1220.47,1338.58 1555.12,1003.94 1840.55,1003.94 1889.76,954.72 U100.44
NetR113_2: R113.2 U100.45 | length 940.6
  Top Layer w11.81: R113.2 1200.79,1309.06 1525.59,984.25 1830.71,984.25 1870.08,944.88 U100.45
NetR114_2: R114.2 U100.46 | length 894.8
  Top Layer w11.81: R114.2 1496.06,964.57 1820.87,964.57 1850.39,935.04 U100.46
NetU100_14: U100.14 X100.2 | length 297.3
  Top Layer w11.81: X100.2 1698.03,452.76 1811.02,452.76 1830.71,472.44 U100.14
NetU100_29: U100.29 X102.2 | length 272.9
  Top Layer w11.81: U100.29 2175.2,669.29 2204.72,639.76 2204.72,580.71 X102.2
NetU100_32: U100.32 X102.3 | length 221.4
  Top Layer w11.81: U100.32 2157.09,728.35 X102.3
NetU103_1: U103.1 U104.7 | length 103.7
  Top Layer w11.81: U103.1 885.33,908.35 898.72,921.73 U104.7
NetU103_4: U103.4 U104.6 | length 103.7
  Top Layer w11.81: U103.4 885.33,985.12 898.72,971.73 U104.6
NetU105_1: U105.1 U106.7 | length 103.7
  Top Layer w11.81: U105.1 885.33,588.35 898.72,601.73 U106.7
NetU105_4: U105.4 U106.6 | length 103.7
  Top Layer w11.81: U105.4 885.34,665.12 898.72,651.73 U106.6
RESETN: R116.1 U100.10 X104.10 | length 757.3
  Top Layer w11.81: U100.10 1850.39,629.92 2057.09,836.61 2057.09,895.67 1917.32,1035.44 1917.32,1078.25 1884.35,1078.25 R116.1
SWCLK: R120.2 U100.36 X104.4 | length 323
  Top Layer w11.81: R120.2 2086.61,994.09 U100.36
  Top Layer w15.75: X104.4 2067.32,1013.39 R120.2
SWDIO: R115.1 U100.35 X104.2 | length 371.8
  Top Layer w11.81: U100.35 2116.14,787.4 2125.98,797.24 R115.1
  Top Layer w15.75: X104.2 2117.32,1012.6 R115.1
USB_N: R102.2 U100.33 | length 169.7
  Top Layer w11.81: U100.33 2214.57,748.03 R102.2
USB_P: R103.2 U100.34 | length 157.5
  Top Layer w11.81: U100.34 R103.2
VBUS: L100.1 X101.1 | length 154.1
  Top Layer w23.62: L100.1 2325.12,895.35 X101.1@2403.54,816.93
X_CAN_1_H: D109.2 L103.2 R118.2 X103.7 | length 469.6
  Top Layer w15.75: X103.7@175,820.28 350.65,820.28 366.59,804.33 D109.2 386.79,804.33 419.19,836.73 419.19,914.33 R118.2 461.59,939.33 484.19,916.73 523.76,916.73 L103.2
X_CAN_1_L: D109.1 L103.1 R119.2 X103.2 | length 329.1
  Top Layer w15.75: X103.2@279.19,874.21 284.11,879.13 D109.1 374.19,882.95 R119.2 406.59,971.73 523.64,971.73 L103.1
X_CAN_2_H: D110.1 L104.2 R121.2 X103.8 | length 538.7
  Top Layer w15.75: X103.8@179.19,712.4 299.86,712.4 341.59,754.13 D110.1 391.79,754.13 434.19,711.73 v1(434.19,684.39) ; v1(434.19,591.73) 444.19,601.73 R121.2 496.79,624.13 521.75,599.17 L104.2
  Bottom Layer w15.75: v1(434.19,591.73) v1(434.19,684.39)
X_CAN_2_L: D110.2 L104.1 R122.2 X103.1 | length 671.7
  Top Layer w15.75: v1(344.19,706.73) 350.61,706.73 D110.2 359.19,660.51 359.19,639.13 R122.2 381.59,624.13 414.19,656.73 521.75,656.73 524.19,654.29 L104.1
  Bottom Layer w15.75: X103.1@279.19,982.09 226.38,929.27 226.38,748.03 267.23,707.18 294.61,707.18 295.06,706.73 v1(344.19,706.73)
pads on no net: G100.1 MTG100.1 MTG101.1 PM100.1 PM101.1 U100.1 U100.2 U100.3 U100.9 U100.13 U100.21 U100.22 U100.23 U100.25 U100.26 U100.27 U100.28 U100.30 U100.31 U100.37 U100.38 U100.39 U100.40 U100.41 U100.42 U101.4 X103.4 X103.5 X103.9 X103.SH X104.6 X104.7 X104.8

## Polygon pours and split planes (outlines as drawn)
GND on Bottom Layer "GND_L02_P006" (solid, remove dead copper, pour order 6): 1122.05,1535.43 2699.27,1535.43 2699.27,0 1122.05,0
GND2 on Bottom Layer "GND2_L02_P007" (solid, remove dead copper, pour order 7): 935.04,1096.63 828.26,1181.1 102.23,1181.1 102.23,118.11 935.04,118.11

## Keep-outs
Keep-Out Layer:
  circle w10: c225,275.59 r157.48
  circle w10: c225,1259.84 r137.8

## Other copper
Top Layer:
  text "D5035-05-02" at 1938.98,1466.54 h60 r180
  text "0" at 484.25,1409.45 h55.12
  text ">" at 2192.91,1336.61 h31.5 r180
  text "1" at 484.25,1251.97 h55.12
  text "0" at 562.99,1005.91 h55.12
  text "1" at 562.99,690.94 h55.12

## Silkscreen, mask and mechanical layers (free items; w line width, h text height)
Top Solder:
  rectangle: 984.25,352.2 1092.52,1112.2
  text "0" at 484.25,1409.45 h55.12
  text ">" at 2192.91,1336.61 h31.5 r180
  text "1" at 484.25,1251.97 h55.12
  text "0" at 562.99,1005.91 h55.12
  text "1" at 562.99,690.94 h55.12
Bottom Solder:
  rectangle: 984.25,352.2 1092.52,1112.2
M1_Dimension:
  the board outline again, w10

## Dimensions
2637.8,1535.43 to 2637.8,0 on M2_Measures
0,78.74 to 2716.54,1456.69 on M2_Measures